# KiCad board fpga.kicad_pcb (continued)
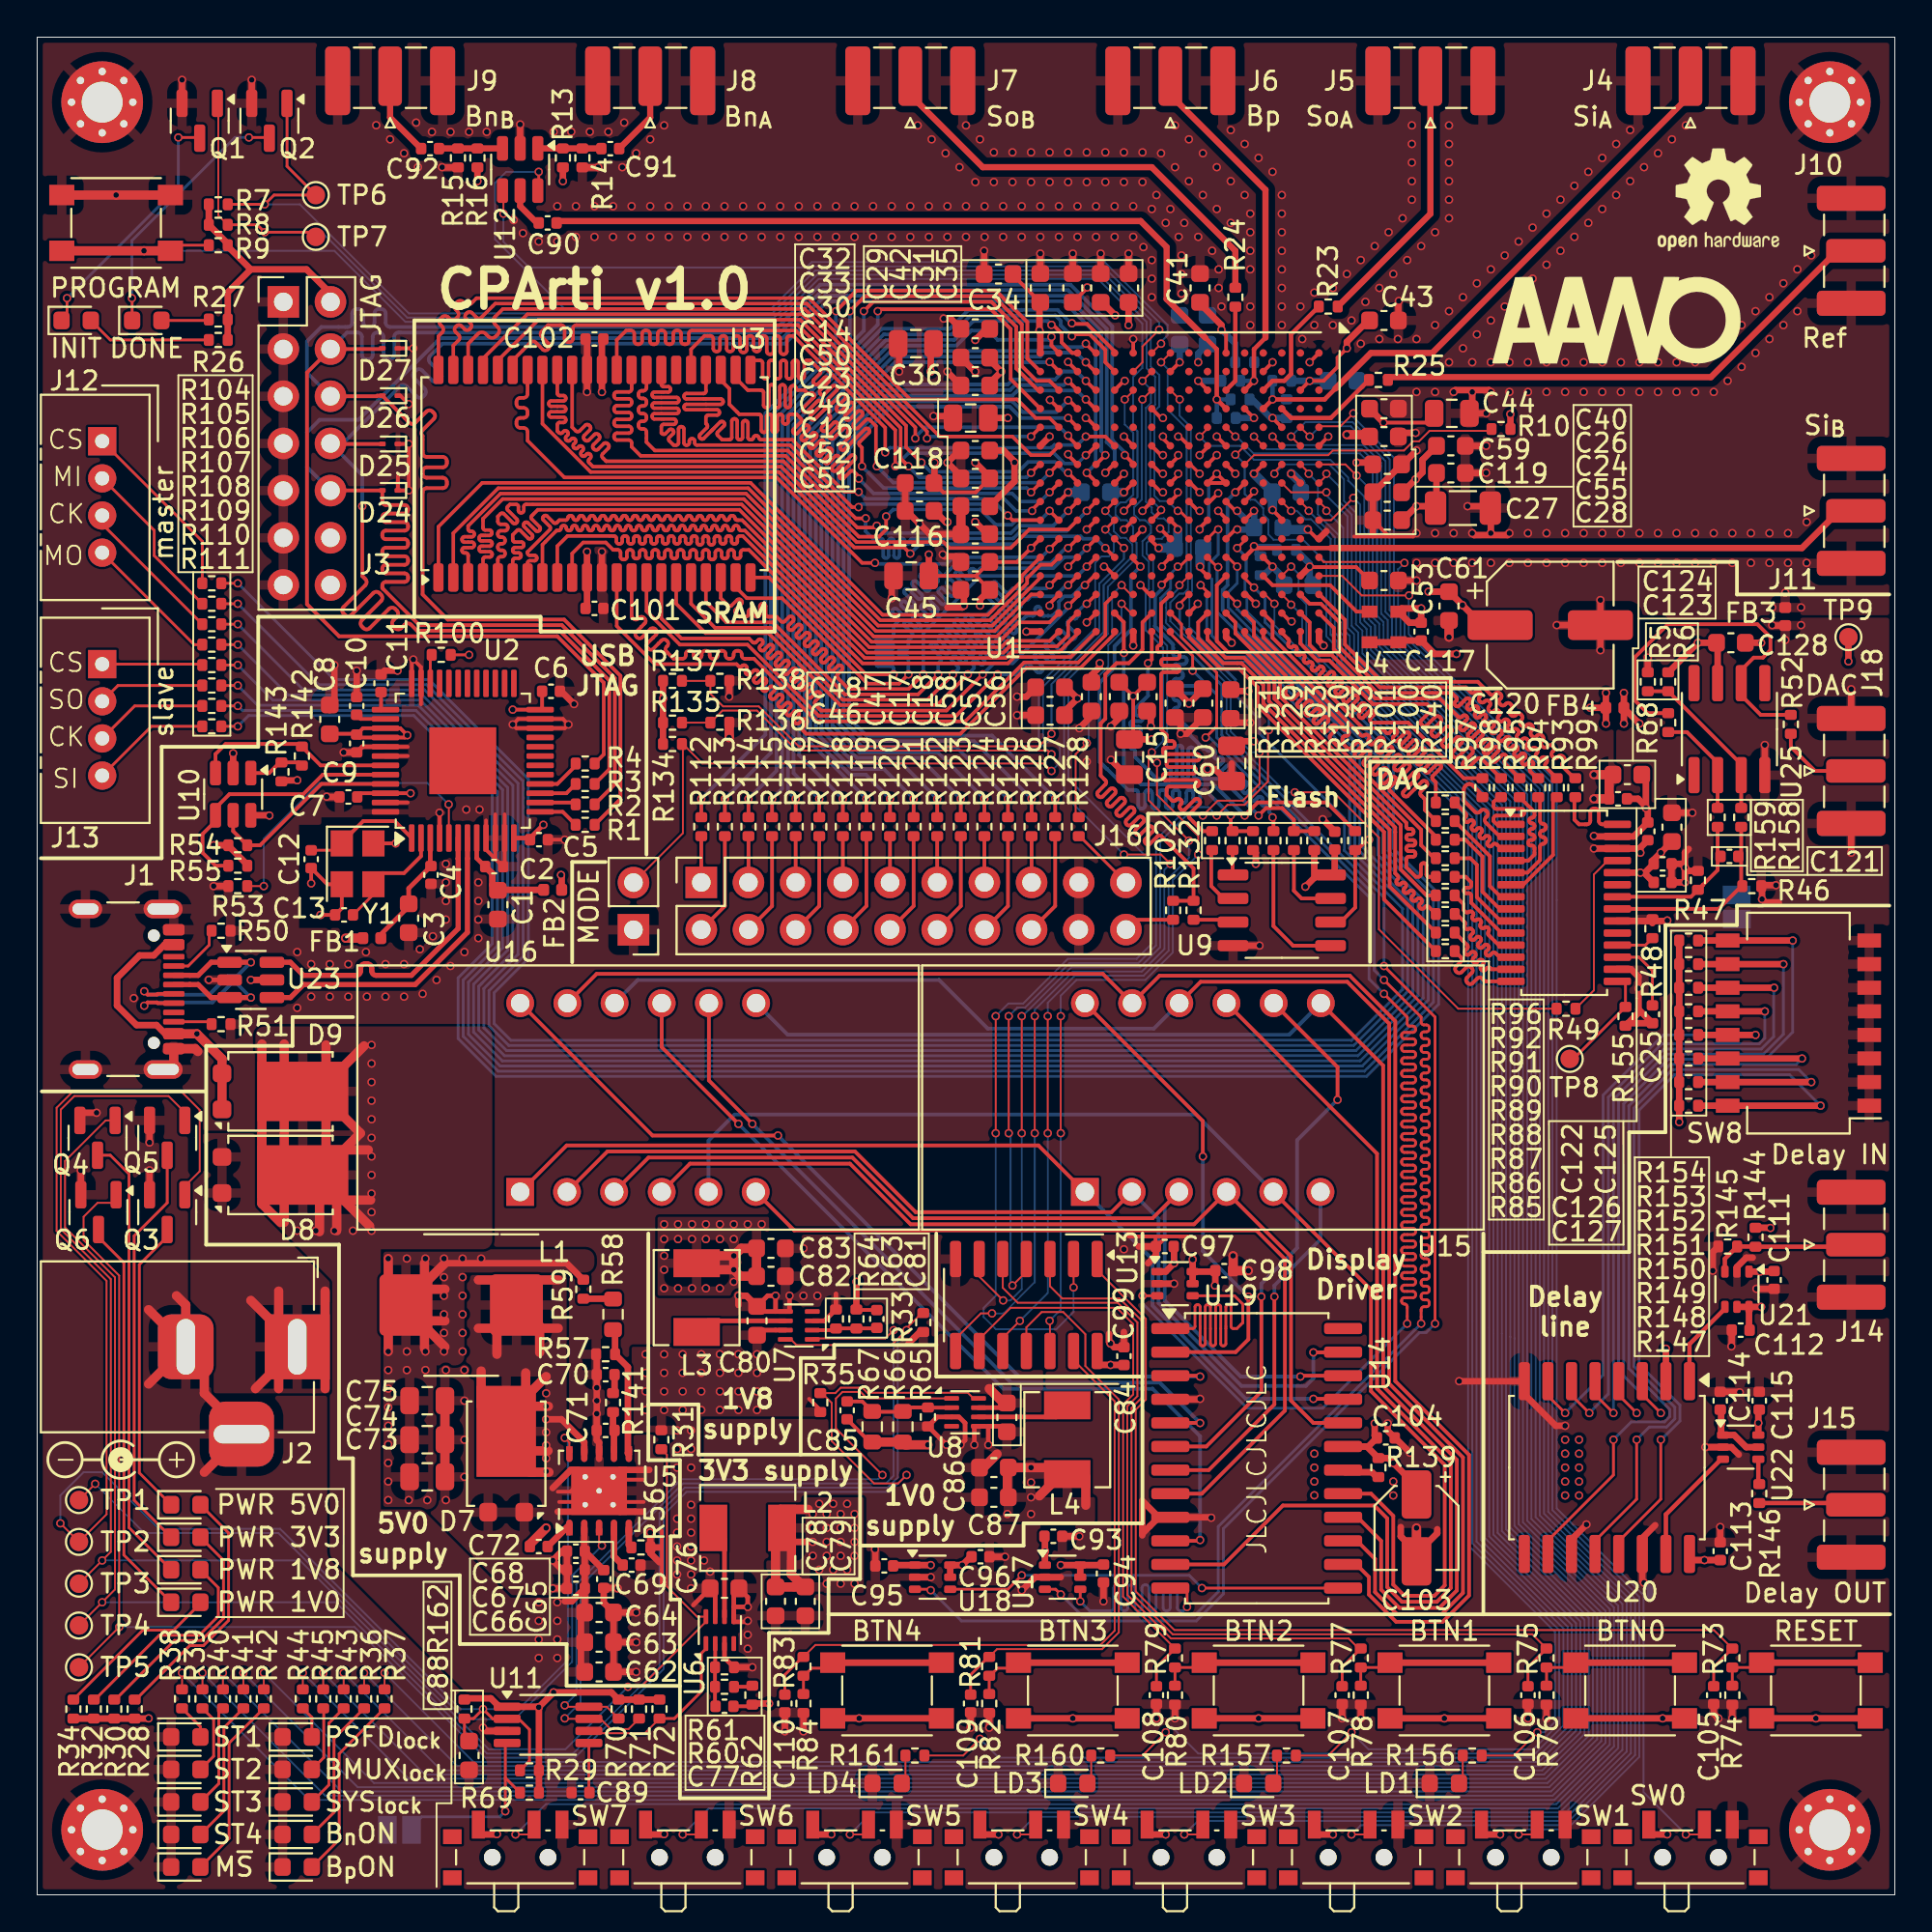
[diagram p0: board, top side]
## Routing (per net, layer and track width the routed paths; a pad name or vN(x,y) marks a point on that pad's centre or on a via; arc(x,y) is an arc through that point) (continued)
SRAM_D0: length 40.5
  Top w0.19: U1.R16 54.5,67.5 52.24,67.5 51.9,67.16 44.79,67.16 37.95,74 37.67,74 arc(37.59,74.03) 37.56,74.12 37.56,74.13 arc(37.52,74.21) 37.44,74.24 37.38,74.24 arc(37.3,74.21) 37.27,74.13 37.27,74.12 arc(37.23,74.03) 37.15,74 37.09,74 arc(37.01,74.03) 36.98,74.12 36.98,74.13 arc(36.94,74.21) 36.86,74.24 36.8,74.24 arc(36.72,74.21) 36.69,74.13 36.69,74.12 arc(36.65,74.03) 36.57,74 36.51,74 arc(36.43,74.03) 36.4,74.12 36.4,74.13 arc(36.36,74.21) 36.28,74.24 36.22,74.24 arc(36.14,74.21) 36.11,74.13 36.11,74.12 arc(36.07,74.03) 35.99,74 35.93,74 arc(35.85,74.03) 35.82,74.12 35.82,74.13 arc(35.78,74.21) 35.7,74.24 35.64,74.24 arc(35.56,74.21) 35.53,74.13 35.53,74.12 arc(35.49,74.03) 35.41,74 35.35,74 arc(35.27,74.03) 35.24,74.12 35.24,74.13 arc(35.2,74.21) 35.12,74.24 35.06,74.24 arc(34.98,74.21) 34.95,74.13 34.95,74.12 arc(34.91,74.03) 34.83,74 34.77,74 arc(34.69,74.03) 34.66,74.12 34.66,74.13 arc(34.62,74.21) 34.54,74.24 34.48,74.24 arc(34.4,74.21) 34.37,74.13 34.37,74.12 arc(34.33,74.03) 34.25,74 34.19,74 arc(34.11,74.03) 34.08,74.12 34.08,74.13 arc(34.04,74.21) 33.96,74.24 33.9,74.24 arc(33.82,74.21) 33.79,74.13 33.79,74.12 arc(33.75,74.03) 33.67,74 33.61,74 arc(33.53,74.03) 33.5,74.12 33.5,74.13 arc(33.46,74.21) 33.38,74.24 33.32,74.24 arc(33.24,74.21) 33.21,74.13 33.21,74.12 arc(33.17,74.03) 33.09,74 33.03,74 arc(32.95,74.03) 32.92,74.12 32.92,74.13 arc(32.88,74.21) 32.8,74.24 32.74,74.24 arc(32.66,74.21) 32.63,74.13 32.63,74.12 arc(32.59,74.03) 32.51,74 32.45,74 arc(32.37,74.03) 32.34,74.12 32.34,74.13 arc(32.3,74.21) 32.22,74.24 32.16,74.24 arc(32.08,74.21) 32.05,74.13 32.05,74.12 arc(32.01,74.03) 31.93,74 31.87,74 arc(31.79,74.03) 31.76,74.12 31.76,74.13 arc(31.72,74.21) 31.64,74.24 31.58,74.24 arc(31.5,74.21) 31.47,74.13 31.47,74.12 arc(31.43,74.03) 31.35,74 31.29,74 arc(31.21,74.03) 31.18,74.12 31.18,74.13 arc(31.14,74.21) 31.06,74.24 31,74.24 arc(30.92,74.21) 30.89,74.13 30.89,74.12 arc(30.85,74.03) 30.77,74 30.71,74 arc(30.63,74.03) 30.6,74.12 30.6,74.13 arc(30.56,74.21) 30.48,74.24 30.42,74.24 arc(30.34,74.21) 30.31,74.13 30.31,74.12 arc(30.27,74.03) 30.19,74 30.13,74 arc(30.05,74.03) 30.02,74.12 30.02,74.13 arc(29.98,74.21) 29.9,74.24 29.84,74.24 arc(29.76,74.21) 29.73,74.13 29.73,74.12 arc(29.69,74.03) 29.61,74 29.55,74 arc(29.47,74.03) 29.44,74.12 29.44,74.13 arc(29.4,74.21) 29.32,74.24 29.26,74.24 arc(29.18,74.21) 29.15,74.13 29.15,74.12 arc(29.11,74.03) 29.03,74 28.97,74 arc(28.89,74.03) 28.86,74.12 28.86,74.13 arc(28.82,74.21) 28.74,74.24 28.68,74.24 arc(28.6,74.21) 28.57,74.13 28.57,74.12 arc(28.53,74.03) 28.45,74 28.11,74 27.97,73.86 arc(27.89,73.83) 27.81,73.86 27.45,74.22 arc(27.36,74.26) 27.28,74.22 27.24,74.18 arc(27.21,74.1) 27.24,74.02 27.6,73.66 arc(27.64,73.57) 27.6,73.49 26.4,72.29 26.4,72.22 arc(26.43,72.14) 26.52,72.11 26.78,72.11 arc(26.86,72.07) 26.89,71.99 26.89,71.93 arc(26.86,71.85) 26.78,71.82 26.52,71.82 arc(26.43,71.78) 26.4,71.7 U3.7
SRAM_D1: length 40.5
  Top w0.19: U1.P15 55.5,68.5 55.5,67.8 54.91,67.21 52.36,67.21 52.02,66.87 44.67,66.87 38.1,73.44 37.88,73.44 arc(37.8,73.47) 37.77,73.56 37.77,73.59 arc(37.73,73.67) 37.65,73.7 37.59,73.7 arc(37.51,73.67) 37.48,73.59 37.48,73.56 arc(37.44,73.47) 37.36,73.44 37.3,73.44 arc(37.22,73.47) 37.19,73.56 37.19,73.59 arc(37.15,73.67) 37.07,73.7 37.01,73.7 arc(36.93,73.67) 36.9,73.59 36.9,73.56 arc(36.86,73.47) 36.78,73.44 36.72,73.44 arc(36.64,73.47) 36.61,73.56 36.61,73.59 arc(36.57,73.67) 36.49,73.7 36.43,73.7 arc(36.35,73.67) 36.32,73.59 36.32,73.56 arc(36.28,73.47) 36.2,73.44 36.14,73.44 arc(36.06,73.47) 36.03,73.56 36.03,73.59 arc(35.99,73.67) 35.91,73.7 35.85,73.7 arc(35.77,73.67) 35.74,73.59 35.74,73.56 arc(35.7,73.47) 35.62,73.44 35.56,73.44 arc(35.48,73.47) 35.45,73.56 35.45,73.59 arc(35.41,73.67) 35.33,73.7 35.27,73.7 arc(35.19,73.67) 35.16,73.59 35.16,73.56 arc(35.12,73.47) 35.04,73.44 34.98,73.44 arc(34.9,73.47) 34.87,73.56 34.87,73.59 arc(34.83,73.67) 34.75,73.7 34.69,73.7 arc(34.61,73.67) 34.58,73.59 34.58,73.56 arc(34.54,73.47) 34.46,73.44 34.4,73.44 arc(34.32,73.47) 34.29,73.56 34.29,73.59 arc(34.25,73.67) 34.17,73.7 34.11,73.7 arc(34.03,73.67) 34,73.59 34,73.56 arc(33.96,73.47) 33.88,73.44 33.82,73.44 arc(33.74,73.47) 33.71,73.56 33.71,73.59 arc(33.67,73.67) 33.59,73.7 33.53,73.7 arc(33.45,73.67) 33.42,73.59 33.42,73.56 arc(33.38,73.47) 33.3,73.44 33.24,73.44 arc(33.16,73.47) 33.13,73.56 33.13,73.59 arc(33.09,73.67) 33.01,73.7 32.95,73.7 arc(32.87,73.67) 32.84,73.59 32.84,73.56 arc(32.8,73.47) 32.72,73.44 32.66,73.44 arc(32.58,73.47) 32.55,73.56 32.55,73.59 arc(32.51,73.67) 32.43,73.7 32.37,73.7 arc(32.29,73.67) 32.26,73.59 32.26,73.56 arc(32.22,73.47) 32.14,73.44 32.08,73.44 arc(32,73.47) 31.97,73.56 31.97,73.59 arc(31.93,73.67) 31.85,73.7 31.79,73.7 arc(31.71,73.67) 31.68,73.59 31.68,73.56 arc(31.64,73.47) 31.56,73.44 31.5,73.44 arc(31.42,73.47) 31.39,73.56 31.39,73.59 arc(31.35,73.67) 31.27,73.7 31.21,73.7 arc(31.13,73.67) 31.1,73.59 31.1,73.56 arc(31.06,73.47) 30.98,73.44 30.92,73.44 arc(30.84,73.47) 30.81,73.56 30.81,73.59 arc(30.77,73.67) 30.69,73.7 30.63,73.7 arc(30.55,73.67) 30.52,73.59 30.52,73.56 arc(30.48,73.47) 30.4,73.44 30.34,73.44 arc(30.26,73.47) 30.23,73.56 30.23,73.59 arc(30.19,73.67) 30.11,73.7 30.05,73.7 arc(29.97,73.67) 29.94,73.59 29.94,73.56 arc(29.9,73.47) 29.82,73.44 29.76,73.44 arc(29.68,73.47) 29.65,73.56 29.65,73.59 arc(29.61,73.67) 29.53,73.7 29.47,73.7 arc(29.39,73.67) 29.36,73.59 29.36,73.56 arc(29.32,73.47) 29.24,73.44 29.18,73.44 arc(29.1,73.47) 29.07,73.56 29.07,73.59 arc(29.03,73.67) 28.95,73.7 28.89,73.7 arc(28.81,73.67) 28.78,73.59 28.78,73.56 arc(28.74,73.47) 28.66,73.44 28.6,73.44 arc(28.52,73.47) 28.49,73.56 28.49,73.59 arc(28.45,73.67) 28.37,73.7 28.31,73.7 arc(28.23,73.67) 28.2,73.59 28.2,73.56 arc(28.16,73.47) 28.08,73.44 27.96,73.44 27.2,72.68 U3.8
SRAM_D2: length 40.5
  Top w0.19: U1.P16 56,67.89 55.03,66.92 52.48,66.92 52.14,66.58 44.55,66.58 37.98,73.15 37.82,73.15 arc(37.73,73.11) 37.69,73.03 37.69,72.85 arc(37.66,72.76) 37.57,72.72 37.51,72.72 arc(37.42,72.76) 37.38,72.85 37.38,73.03 arc(37.35,73.11) 37.26,73.15 37.2,73.15 arc(37.11,73.11) 37.07,73.03 37.07,72.85 arc(37.04,72.76) 36.95,72.72 36.89,72.72 arc(36.8,72.76) 36.76,72.85 36.76,73.03 arc(36.73,73.11) 36.64,73.15 36.58,73.15 arc(36.49,73.11) 36.45,73.03 36.45,72.8 arc(36.42,72.71) 36.33,72.67 36.27,72.67 arc(36.18,72.71) 36.14,72.8 36.14,73.03 arc(36.11,73.11) 36.02,73.15 35.96,73.15 arc(35.87,73.11) 35.83,73.03 35.83,72.8 arc(35.8,72.71) 35.71,72.67 35.65,72.67 arc(35.56,72.71) 35.52,72.8 35.52,73.03 arc(35.49,73.11) 35.4,73.15 35.34,73.15 arc(35.25,73.11) 35.21,73.03 35.21,72.85 arc(35.18,72.76) 35.09,72.72 35.03,72.72 arc(34.94,72.76) 34.9,72.85 34.9,73.03 arc(34.87,73.11) 34.78,73.15 34.72,73.15 arc(34.63,73.11) 34.59,73.03 34.59,72.85 arc(34.56,72.76) 34.47,72.72 34.41,72.72 arc(34.32,72.76) 34.28,72.85 34.28,73.03 arc(34.25,73.11) 34.16,73.15 34.1,73.15 arc(34.01,73.11) 33.97,73.03 33.97,72.85 arc(33.94,72.76) 33.85,72.72 33.79,72.72 arc(33.7,72.76) 33.66,72.85 33.66,73.03 arc(33.63,73.11) 33.54,73.15 33.48,73.15 arc(33.39,73.11) 33.35,73.03 33.35,72.85 arc(33.32,72.76) 33.23,72.72 33.17,72.72 arc(33.08,72.76) 33.04,72.85 33.04,73.03 arc(33.01,73.11) 32.92,73.15 32.86,73.15 arc(32.77,73.11) 32.73,73.03 32.73,72.85 arc(32.7,72.76) 32.61,72.72 32.55,72.72 arc(32.46,72.76) 32.42,72.85 32.42,73.03 arc(32.39,73.11) 32.3,73.15 32.24,73.15 arc(32.15,73.11) 32.11,73.03 32.11,72.85 arc(32.08,72.76) 31.99,72.72 31.93,72.72 arc(31.84,72.76) 31.8,72.85 31.8,73.03 arc(31.77,73.11) 31.68,73.15 31.62,73.15 arc(31.53,73.11) 31.49,73.03 31.49,72.85 arc(31.46,72.76) 31.37,72.72 31.31,72.72 arc(31.22,72.76) 31.18,72.85 31.18,73.03 arc(31.15,73.11) 31.06,73.15 28.55,73.15 28,72.6 U3.9
SRAM_D3: length 40.5
  Top w0.19: U3.10 28.8,72.21 29.39,72.8 30.61,72.8 31.01,72.4 31.27,72.4 arc(31.36,72.36) 31.4,72.26 31.4,72.02 arc(31.44,71.92) 31.54,71.88 31.61,71.88 arc(31.7,71.92) 31.74,72.02 31.74,72.26 arc(31.78,72.36) 31.88,72.4 31.95,72.4 arc(32.04,72.36) 32.08,72.26 32.08,72.07 arc(32.12,71.97) 32.22,71.93 32.29,71.93 arc(32.38,71.97) 32.42,72.07 32.42,72.26 arc(32.46,72.36) 32.56,72.4 32.63,72.4 arc(32.72,72.36) 32.76,72.26 32.76,72.07 arc(32.8,71.97) 32.9,71.93 32.97,71.93 arc(33.06,71.97) 33.1,72.07 33.1,72.26 arc(33.14,72.36) 33.24,72.4 33.31,72.4 arc(33.4,72.36) 33.44,72.26 33.44,72.07 arc(33.48,71.97) 33.58,71.93 33.65,71.93 arc(33.74,71.97) 33.78,72.07 33.78,72.26 arc(33.82,72.36) 33.92,72.4 33.99,72.4 arc(34.08,72.36) 34.12,72.26 34.12,72.07 arc(34.16,71.97) 34.26,71.93 34.33,71.93 arc(34.42,71.97) 34.46,72.07 34.46,72.26 arc(34.5,72.36) 34.6,72.4 34.67,72.4 arc(34.76,72.36) 34.8,72.26 34.8,72.07 arc(34.84,71.97) 34.94,71.93 35.01,71.93 arc(35.1,71.97) 35.14,72.07 35.14,72.26 arc(35.18,72.36) 35.28,72.4 35.35,72.4 arc(35.44,72.36) 35.48,72.26 35.48,72.02 arc(35.52,71.92) 35.62,71.88 35.69,71.88 arc(35.78,71.92) 35.82,72.02 35.82,72.26 arc(35.86,72.36) 35.96,72.4 36.03,72.4 arc(36.12,72.36) 36.16,72.26 36.16,72.02 arc(36.2,71.92) 36.3,71.88 36.37,71.88 arc(36.46,71.92) 36.5,72.02 36.5,72.26 arc(36.54,72.36) 36.64,72.4 36.71,72.4 arc(36.8,72.36) 36.84,72.26 36.84,72.07 arc(36.88,71.97) 36.98,71.93 37.05,71.93 arc(37.14,71.97) 37.18,72.07 37.18,72.26 arc(37.22,72.36) 37.32,72.4 37.39,72.4 arc(37.48,72.36) 37.52,72.26 37.52,72.07 arc(37.56,71.97) 37.66,71.93 37.73,71.93 arc(37.82,71.97) 37.86,72.07 37.86,72.26 arc(37.9,72.36) 38,72.4 38.32,72.4 44.43,66.29 52.26,66.29 52.6,66.63 55.63,66.63 U1.N16
SRAM_D4: length 40.5
  Top w0.19: U3.13 31.2,68.3 33.25,66.25 37.65,66.25 37.76,66.14 arc(37.85,66.1) 37.93,66.14 37.96,66.17 arc(38.05,66.2) 38.14,66.17 38.18,66.12 arc(38.22,66.04) 38.18,65.95 38.15,65.92 arc(38.12,65.83) 38.15,65.75 38.2,65.7 arc(38.29,65.67) 38.37,65.7 38.58,65.91 arc(38.66,65.94) 38.75,65.91 38.8,65.86 arc(38.83,65.77) 38.8,65.69 38.59,65.48 arc(38.56,65.4) 38.59,65.31 38.64,65.26 arc(38.72,65.23) 38.81,65.26 39.01,65.47 arc(39.1,65.5) 39.19,65.47 39.23,65.42 arc(39.27,65.34) 39.23,65.25 39.03,65.04 arc(38.99,64.96) 39.03,64.87 39.07,64.83 arc(39.16,64.79) 39.25,64.83 39.45,65.03 arc(39.54,65.06) 39.63,65.03 39.67,64.98 arc(39.71,64.9) 39.67,64.81 39.47,64.61 arc(39.43,64.52) 39.47,64.43 39.51,64.39 arc(39.6,64.35) 39.69,64.39 39.89,64.59 arc(39.98,64.63) 40.07,64.59 40.11,64.55 arc(40.15,64.46) 40.11,64.37 39.91,64.17 arc(39.87,64.08) 39.91,63.99 39.95,63.95 arc(40.04,63.91) 40.13,63.95 40.33,64.15 arc(40.42,64.19) 40.51,64.15 40.55,64.11 arc(40.59,64.02) 40.55,63.93 40.35,63.73 arc(40.31,63.64) 40.35,63.55 40.39,63.51 arc(40.48,63.47) 40.57,63.51 40.77,63.71 arc(40.86,63.75) 40.94,63.71 40.99,63.67 arc(41.02,63.58) 40.99,63.49 40.78,63.29 arc(40.75,63.2) 40.78,63.12 40.83,63.07 arc(40.92,63.04) 41,63.07 41.21,63.27 arc(41.29,63.31) 41.38,63.27 41.43,63.23 arc(41.46,63.14) 41.43,63.06 41.22,62.85 arc(41.19,62.76) 41.22,62.68 41.4,62.5 49.7,62.5 53.25,66.05 56.16,66.05 58,67.89 U1.M16
SRAM_D5: length 40.5
  Top w0.19: U1.M14 57.5,69.5 57.5,67.8 56.04,66.34 53.13,66.34 49.96,63.17 41.96,63.17 38.59,66.54 38.09,66.54 arc(37.97,66.59) 37.92,66.71 37.92,66.8 arc(37.87,66.92) 37.75,66.97 37.66,66.97 arc(37.54,66.92) 37.49,66.8 37.49,66.71 arc(37.44,66.59) 37.32,66.54 37.23,66.54 arc(37.11,66.59) 37.06,66.71 37.06,66.8 arc(37.01,66.92) 36.89,66.97 36.8,66.97 arc(36.68,66.92) 36.63,66.8 36.63,66.71 arc(36.58,66.59) 36.46,66.54 36.37,66.54 arc(36.25,66.59) 36.2,66.71 36.2,66.8 arc(36.15,66.92) 36.03,66.97 35.94,66.97 arc(35.82,66.92) 35.77,66.8 35.77,66.71 arc(35.72,66.59) 35.6,66.54 35.51,66.54 arc(35.39,66.59) 35.34,66.71 35.34,66.8 arc(35.29,66.92) 35.17,66.97 35.08,66.97 arc(34.96,66.92) 34.91,66.8 34.91,66.71 arc(34.86,66.59) 34.74,66.54 34.26,66.54 33.87,66.93 arc(33.82,67.05) 33.87,67.17 33.93,67.23 arc(33.98,67.35) 33.93,67.48 33.87,67.54 arc(33.75,67.59) 33.63,67.54 33.16,67.07 arc(33.04,67.02) 32.91,67.07 32.85,67.13 arc(32.8,67.25) 32.85,67.37 33.32,67.84 arc(33.37,67.96) 33.32,68.08 33.26,68.14 arc(33.14,68.2) 33.02,68.14 32.55,67.68 arc(32.43,67.63) 32.31,67.68 32.25,67.74 arc(32.19,67.86) 32.25,67.98 32.71,68.45 arc(32.76,68.57) 32.71,68.69 32.65,68.75 arc(32.53,68.8) 32.41,68.75 32.35,68.69 arc(32.23,68.64) 32.11,68.69 32,68.8 U3.14
SRAM_D6: length 37.4
  Top w0.19: v1(51.7,65.7) 49.46,63.46 42.08,63.46 38.24,67.3 34.6,67.3 32.8,69.1 U3.15 ; U1.N14 v1(56.5,69.5)
  Bottom w0.19: v1(51.7,65.7) 52.63,65.7 53.17,66.24 arc(53.29,66.29) 53.41,66.24 53.81,65.83 arc(53.93,65.78) 54.05,65.83 54.11,65.89 arc(54.16,66.01) 54.11,66.13 53.71,66.54 arc(53.66,66.65) 53.71,66.77 53.77,66.83 arc(53.89,66.88) 54,66.83 54.41,66.43 arc(54.53,66.38) 54.65,66.43 54.71,66.49 arc(54.75,66.61) 54.71,66.72 54.3,67.13 arc(54.25,67.25) 54.3,67.37 54.36,67.43 arc(54.48,67.48) 54.6,67.43 55,67.02 arc(55.12,66.97) 55.24,67.02 55.3,67.08 arc(55.35,67.2) 55.3,67.32 54.89,67.72 arc(54.85,67.84) 54.89,67.96 54.95,68.02 arc(55.07,68.07) 55.19,68.02 55.6,67.62 arc(55.72,67.57) 55.83,67.62 55.89,67.67 arc(55.94,67.79) 55.89,67.91 55.49,68.32 arc(55.44,68.44) 55.49,68.55 55.64,68.71 arc(55.72,68.74) 55.79,68.71 arc(55.86,68.68) 55.93,68.71 56.08,68.87 arc(56.11,68.94) 56.08,69.01 arc(56.05,69.08) 56.08,69.15 56.43,69.5 v1(56.5,69.5)
SRAM_D7: length 37.4
  Top w0.19: v1(50.9,65.7) 48.95,63.75 42.2,63.75 41.88,64.07 arc(41.84,64.16) 41.88,64.24 42.15,64.52 arc(42.19,64.6) 42.15,64.69 42.11,64.73 arc(42.03,64.77) 41.94,64.73 41.66,64.45 arc(41.58,64.42) 41.49,64.45 41.45,64.5 arc(41.42,64.58) 41.45,64.67 41.73,64.94 arc(41.76,65.03) 41.73,65.11 41.69,65.16 arc(41.6,65.19) 41.52,65.16 41.24,64.88 arc(41.16,64.84) 41.07,64.88 41.03,64.92 arc(40.99,65.01) 41.03,65.09 41.3,65.37 arc(41.34,65.45) 41.3,65.54 41.26,65.58 arc(41.18,65.61) 41.09,65.58 40.82,65.3 arc(40.73,65.27) 40.65,65.3 40.6,65.35 arc(40.57,65.43) 40.6,65.52 40.88,65.79 arc(40.91,65.88) 40.88,65.96 40.84,66 arc(40.75,66.04) 40.67,66 40.39,65.73 arc(40.31,65.69) 40.22,65.73 40.18,65.77 arc(40.14,65.85) 40.18,65.94 40.46,66.22 arc(40.49,66.3) 40.46,66.39 40.41,66.43 arc(40.33,66.46) 40.24,66.43 39.97,66.15 arc(39.88,66.12) 39.8,66.15 39.76,66.19 arc(39.72,66.28) 39.76,66.36 40.03,66.64 arc(40.07,66.73) 40.03,66.81 39.99,66.85 arc(39.9,66.89) 39.82,66.85 39.54,66.58 arc(39.46,66.54) 39.37,66.58 39.33,66.62 arc(39.3,66.7) 39.33,66.79 39.61,67.06 arc(39.64,67.15) 39.61,67.23 39.56,67.28 arc(39.48,67.31) 39.39,67.28 39.12,67 arc(39.03,66.97) 38.95,67 38.91,67.04 arc(38.87,67.13) 38.91,67.21 39.04,67.35 arc(39.08,67.43) 39.04,67.52 39,67.56 arc(38.91,67.59) 38.83,67.56 38.69,67.42 arc(38.61,67.39) 38.52,67.42 38.32,67.63 34.68,67.63 33.6,68.71 U3.16 ; v1(55.5,69.4) 56,69.9 U1.P14
  Bottom w0.19: v1(55.5,69.4) 55.5,69.28 52.52,66.3 51.5,66.3 v1(50.9,65.7)
SRAM_D8: length 37.5
  Top w0.19: v1(52.25,74.25) 52.5,74 U1.T10 ; U3.29 33.6,81.3 arc(33.63,81.22) 33.72,81.19 33.97,81.19 arc(34.06,81.15) 34.09,81.07 34.09,81.01 arc(34.06,80.93) 33.97,80.9 33.23,80.9 arc(33.14,80.86) 33.11,80.78 33.11,80.72 arc(33.14,80.64) 33.23,80.61 34.42,80.61 arc(34.51,80.57) 34.54,80.49 34.54,80.43 arc(34.51,80.35) 34.42,80.32 33.23,80.32 arc(33.14,80.28) 33.11,80.2 33.11,80.14 arc(33.14,80.06) 33.23,80.03 34.42,80.03 arc(34.51,79.99) 34.54,79.91 34.54,79.85 arc(34.51,79.77) 34.42,79.74 33.23,79.74 arc(33.14,79.7) 33.11,79.62 33.11,79.56 arc(33.14,79.48) 33.23,79.45 34.27,79.45 arc(34.36,79.41) 34.39,79.33 34.39,79.27 arc(34.36,79.19) 34.27,79.16 33.72,79.16 arc(33.63,79.12) 33.6,79.04 33.6,78.7 33.65,78.65 arc(33.73,78.62) 33.81,78.65 34.03,78.87 arc(34.11,78.9) 34.2,78.87 34.24,78.83 arc(34.27,78.74) 34.24,78.66 34.02,78.44 arc(33.99,78.36) 34.02,78.28 34.26,78.04 34.41,78.04 arc(34.49,78.07) 34.53,78.16 34.53,78.91 arc(34.56,79) 34.64,79.03 34.7,79.03 arc(34.78,79) 34.82,78.91 34.82,78.16 arc(34.85,78.07) 34.93,78.04 34.99,78.04 arc(35.07,78.07) 35.11,78.16 35.11,78.26 arc(35.14,78.35) 35.22,78.38 35.28,78.38 arc(35.36,78.35) 35.4,78.26 35.4,78.16 arc(35.43,78.07) 35.51,78.04 40.53,78.04 43.87,74.7 v1(44.21,74.7)
  Bottom w0.19: v1(44.21,74.7) 44.38,74.86 51.64,74.86 v1(52.25,74.25)
SRAM_D9: length 37.4
  Top w0.19: U3.30 32.8,81.13 arc(32.75,81.01) 32.64,80.96 32.54,80.96 arc(32.42,80.92) 32.37,80.8 32.37,80.72 arc(32.42,80.6) 32.54,80.55 32.64,80.55 arc(32.75,80.51) 32.8,80.39 32.8,80.31 arc(32.75,80.19) 32.64,80.14 32.54,80.14 arc(32.42,80.1) 32.37,79.98 32.37,79.9 arc(32.42,79.78) 32.54,79.73 32.64,79.73 arc(32.75,79.69) 32.8,79.57 32.8,79.49 arc(32.75,79.37) 32.64,79.32 32.54,79.32 arc(32.42,79.28) 32.37,79.16 32.37,79.08 arc(32.42,78.96) 32.54,78.91 32.64,78.91 arc(32.75,78.87) 32.8,78.75 32.8,78.2 33.25,77.75 40.41,77.75 44.06,74.1 v1(44.6,74.1) ; U1.N9 v1(56.5,74.5)
  Bottom w0.19: v1(56.5,74.5) 55.42,73.42 52.95,73.42 52.54,73.01 47.11,73.01 arc(47.03,72.98) 46.99,72.89 46.99,72.83 arc(46.96,72.74) 46.88,72.71 46.82,72.71 arc(46.74,72.74) 46.7,72.83 46.7,72.89 arc(46.67,72.98) 46.59,73.01 46.53,73.01 arc(46.45,72.98) 46.41,72.89 46.41,72.08 arc(46.38,71.99) 46.3,71.96 46.24,71.96 arc(46.16,71.99) 46.12,72.08 46.12,72.89 arc(46.09,72.98) 46.01,73.01 45.95,73.01 arc(45.87,72.98) 45.83,72.89 45.83,72.08 arc(45.8,71.99) 45.72,71.96 45.66,71.96 arc(45.58,71.99) 45.54,72.08 45.54,72.89 arc(45.51,72.98) 45.43,73.01 44.99,73.01 44.6,73.4 v1(44.6,74.1)
SRAM_D10: length 37.4
  Top w0.19: v1(45.2,73.7) 45.1,73.6 44.15,73.6 40.29,77.46 32.49,77.46 32,77.95 32,78.17 arc(31.96,78.27) 31.85,78.31 31.2,78.31 arc(31.1,78.36) 31.05,78.46 31.05,78.54 arc(31.1,78.64) 31.2,78.68 31.85,78.68 arc(31.96,78.73) 32,78.83 32,78.91 arc(31.96,79.01) 31.85,79.05 31.2,79.05 arc(31.1,79.1) 31.05,79.2 31.05,79.28 arc(31.1,79.38) 31.2,79.42 31.85,79.42 arc(31.96,79.47) 32,79.57 32,79.65 arc(31.96,79.75) 31.85,79.79 31.2,79.79 arc(31.1,79.84) 31.05,79.94 31.05,80.02 arc(31.1,80.12) 31.2,80.16 31.85,80.16 arc(31.96,80.21) 32,80.31 32,80.39 arc(31.96,80.49) 31.85,80.53 31.2,80.53 arc(31.1,80.58) 31.05,80.68 31.05,80.76 arc(31.1,80.86) 31.2,80.9 31.85,80.9 arc(31.96,80.95) 32,81.05 U3.31 ; U1.P9 v1(55.5,74.5)
  Bottom w0.19: v1(55.5,74.5) 54.71,73.71 52.83,73.71 52.42,73.3 45.6,73.3 v1(45.2,73.7)
SRAM_D11: length 37.5
  Top w0.19: U3.32 31.2,83.7 31.71,84.21 31.97,84.21 arc(32.09,84.16) 32.14,84.04 32.14,83.64 arc(32.19,83.52) 32.31,83.47 32.39,83.47 arc(32.51,83.52) 32.56,83.64 32.56,84.04 arc(32.61,84.16) 32.73,84.21 32.81,84.21 arc(32.93,84.16) 32.98,84.04 32.98,83.64 arc(33.03,83.52) 33.15,83.47 33.23,83.47 arc(33.35,83.52) 33.4,83.64 33.4,84.04 arc(33.45,84.16) 33.57,84.21 33.65,84.21 arc(33.77,84.16) 33.82,84.04 33.82,83.64 arc(33.87,83.52) 33.99,83.47 34.07,83.47 arc(34.19,83.52) 34.24,83.64 34.24,84.04 arc(34.29,84.16) 34.41,84.21 34.49,84.21 arc(34.61,84.16) 34.66,84.04 34.66,83.64 arc(34.71,83.52) 34.83,83.47 34.91,83.47 arc(35.03,83.52) 35.08,83.64 35.08,84.04 arc(35.13,84.16) 35.25,84.21 40.83,84.21 46.19,78.85 46.19,76.91 v1(46.2,76.9)
  Top w0.199: 56.47,77.5 56.5,77.5 U1.N6
  Bottom w0.19: v1(46.2,76.9) 46.2,76.91 46.9,77.61 54.72,77.61 54.73,77.61 55.29,77.05 56,77.05 v1(56.45,77.5)
SRAM_D12: length 37.2
  Top w0.19: U3.35 28.8,79 29,78.8 arc(29.1,78.76) 29.2,78.8 29.51,79.11 arc(29.61,79.15) 29.71,79.11 29.76,79.06 arc(29.8,78.96) 29.76,78.86 29.45,78.55 arc(29.4,78.45) 29.45,78.35 29.49,78.31 arc(29.59,78.26) 29.69,78.31 30,78.62 arc(30.1,78.66) 30.2,78.62 30.25,78.57 arc(30.29,78.47) 30.25,78.37 29.94,78.06 arc(29.9,77.96) 29.94,77.86 29.99,77.81 arc(30.09,77.77) 30.19,77.81 30.5,78.12 arc(30.6,78.16) 30.7,78.12 30.75,78.07 arc(30.79,77.97) 30.75,77.87 30.44,77.56 arc(30.39,77.46) 30.44,77.36 30.63,77.17 40.17,77.17 44.23,73.11 45.32,73.11 45.7,73.49 v1(45.7,74.2) ; U1.R10 v1(54.5,74.5)
  Bottom w0.19: v1(45.7,74.2) 46.07,74.57 50.78,74.57 51.6,73.75 52.46,73.75 52.71,74 54,74 v1(54.5,74.5)
SRAM_D13: length 40.5
  Top w0.19: U3.36 28,80.82 arc(28.03,80.74) 28.12,80.71 28.34,80.71 arc(28.42,80.67) 28.45,80.59 28.45,80.53 arc(28.42,80.45) 28.34,80.42 27.66,80.42 arc(27.58,80.38) 27.55,80.3 27.55,80.24 arc(27.58,80.16) 27.66,80.13 28.34,80.13 arc(28.42,80.09) 28.45,80.01 28.45,79.95 arc(28.42,79.87) 28.34,79.84 27.66,79.84 arc(27.58,79.8) 27.55,79.72 27.55,79.66 arc(27.58,79.58) 27.66,79.55 28.34,79.55 arc(28.42,79.51) 28.45,79.43 28.45,79.37 arc(28.42,79.29) 28.34,79.26 28.12,79.26 arc(28.03,79.22) 28,79.14 28,78.8 28.1,78.7 arc(28.18,78.67) 28.26,78.7 28.35,78.79 arc(28.43,78.82) 28.52,78.79 28.56,78.74 arc(28.59,78.66) 28.56,78.58 28.47,78.49 arc(28.44,78.41) 28.47,78.33 28.51,78.29 arc(28.59,78.26) 28.67,78.29 28.76,78.38 arc(28.84,78.41) 28.93,78.38 28.97,78.33 arc(29,78.25) 28.97,78.17 28.88,78.08 arc(28.85,78) 28.88,77.92 28.92,77.88 arc(29,77.85) 29.08,77.88 29.17,77.97 arc(29.25,78) 29.34,77.97 29.38,77.92 arc(29.41,77.84) 29.38,77.76 29.29,77.67 arc(29.26,77.59) 29.29,77.51 29.33,77.47 arc(29.41,77.44) 29.49,77.47 29.58,77.56 arc(29.66,77.59) 29.75,77.56 29.79,77.51 arc(29.82,77.43) 29.79,77.35 29.7,77.26 arc(29.67,77.18) 29.7,77.1 29.92,76.88 40.05,76.88 44.11,72.82 48.78,72.82 49.1,72.5 52.41,72.5 53.41,73.5 55.5,73.5 U1.P10
SRAM_D14: length 37.4
  Top w0.19: U3.37 27.2,79.19 29.8,76.59 39.93,76.59 43.99,72.53 46.67,72.53 v1(47,72.2) ; U1.M12 v1(57.5,72.5)
  Bottom w0.19: v1(57.5,72.5) 57,73 56.29,73 56.16,73.13 53.07,73.13 52.66,72.72 47.52,72.72 v1(47,72.2)
SRAM_D15: length 37.4
  Top w0.19: v1(54.5,72.45) 55,72.95 U1.R11 ; v1(45.1,71.7) 44.41,71.7 39.81,76.3 28.38,76.3 26.4,78.28 26.4,78.75 arc(26.34,78.9) 26.18,78.97 26.01,78.97 arc(25.86,79.03) 25.8,79.18 25.8,79.29 arc(25.86,79.44) 26.01,79.51 26.18,79.51 arc(26.34,79.57) 26.4,79.72 26.4,79.83 arc(26.34,79.98) 26.18,80.05 26.01,80.05 arc(25.86,80.11) 25.8,80.26 25.8,80.37 arc(25.86,80.52) 26.01,80.59 26.18,80.59 arc(26.34,80.65) 26.4,80.8 U3.38
  Bottom w0.19: v1(54.5,72.45) 54.05,72 49.31,72 48.96,71.65 45.15,71.65 v1(45.1,71.7)
SRAM_LB: length 37.4
  Top w0.19: U3.39 25.6,82.6 26.57,83.57 arc(26.7,83.63) 26.83,83.57 27.22,83.18 arc(27.35,83.13) 27.47,83.18 27.54,83.25 arc(27.59,83.37) 27.54,83.5 27.15,83.89 arc(27.09,84.02) 27.15,84.15 27.5,84.5 28.21,84.5 arc(28.34,84.45) 28.39,84.32 28.39,83.77 arc(28.44,83.64) 28.57,83.59 28.66,83.59 arc(28.79,83.64) 28.84,83.77 28.84,84.32 arc(28.89,84.45) 29.02,84.5 40.95,84.5 46.48,78.97 46.48,77.32 46.7,77.11 46.7,77.1 v1(46.9,76.9) ; v1(53.5,76.55) 53.95,77 U1.T7
  Bottom w0.19: v1(53.5,76.55) 53.26,76.31 47.49,76.31 v1(46.9,76.9)
SRAM_OE: length 37.5
  Top w0.19: v1(47.27,78.4) 47.27,79 41.19,85.08 26.38,85.08 24,82.7 U3.41 ; U1.P6 55.5,78.5 v1(55.5,78.55)
  Bottom w0.19: v1(47.27,78.4) 47.27,78.48 47.79,79 55.05,79 v1(55.5,78.55)
SRAM_UB: length 37.4
  Top w0.19: v1(47.6,77.1) 46.77,77.93 46.77,79.09 41.07,84.79 26.99,84.79 24.8,82.6 U3.40 ; U1.P8 56,76.05 v1(55.5,76.55)
  Bottom w0.19: v1(47.6,77.1) 47.6,77.09 48.09,76.6 52.81,76.6 53.34,77.13 54.8,77.13 55.38,76.55 v1(55.5,76.55)
SRAM_WE: length 37.4
  Top w0.19: v1(56.4,70.5) 56.9,71 U1.N13 ; v1(50.1,65.7) 48.44,64.04 43.24,64.04 39.36,67.92 35.98,67.92 34.4,69.5 U3.17
  Bottom w0.19: v1(50.1,65.7) 50.41,66.01 arc(50.45,66.1) 50.41,66.18 50.38,66.22 arc(50.34,66.3) 50.38,66.39 50.42,66.43 arc(50.5,66.46) 50.59,66.43 50.78,66.24 arc(50.85,66.21) 50.92,66.24 50.99,66.31 arc(51.02,66.38) 50.99,66.45 50.8,66.64 arc(50.77,66.72) 50.8,66.81 50.84,66.85 arc(50.93,66.89) 51.01,66.85 51.25,66.61 arc(51.34,66.58) 51.42,66.61 51.46,66.66 arc(51.5,66.74) 51.46,66.83 51.23,67.06 arc(51.19,67.15) 51.23,67.23 51.27,67.28 arc(51.35,67.31) 51.44,67.28 52.06,66.65 arc(52.15,66.61) 52.23,66.65 52.28,66.69 arc(52.31,66.78) 52.28,66.86 51.65,67.49 arc(51.61,67.57) 51.65,67.66 51.69,67.7 arc(51.78,67.74) 51.86,67.7 52.56,67 arc(52.64,66.97) 52.73,67 52.77,67.05 arc(52.81,67.13) 52.77,67.21 52.07,67.91 arc(52.04,68) 52.07,68.08 52.12,68.12 arc(52.2,68.16) 52.29,68.12 52.49,67.92 arc(52.57,67.89) 52.66,67.92 52.7,67.97 arc(52.74,68.05) 52.7,68.13 52.5,68.34 arc(52.46,68.42) 52.5,68.51 52.54,68.55 arc(52.63,68.58) 52.71,68.55 52.74,68.51 arc(52.83,68.48) 52.91,68.51 53.25,68.85 53.6,68.85 arc(53.68,68.88) 53.72,68.97 53.72,69.22 arc(53.75,69.3) 53.84,69.34 53.9,69.34 arc(53.98,69.3) 54.02,69.22 54.02,68.97 arc(54.05,68.88) 54.14,68.85 54.66,68.85 55,69.19 55,69.61 55.29,69.9 55.7,69.9 56.3,70.5 v1(56.4,70.5)
Stage1: length 158
  Top w0.1: v1(71.03,76.4) 70.43,77 U1.A7 ; R38.1 v1(7.8,11.95)
  Bottom w0.1: v1(7.8,11.95) 14.64,5.11 81.68,5.11 84.66,8.09 84.66,15.38 79.98,20.05 79.98,59.15 72.02,67.11 72.02,68.33 71.67,68.68 71.67,75.76 v1(71.03,76.4)
Stage2: length 163.8
  Top w0.1: v1(62.57,78.5) 63,78.92 U1.G5 ; R39.1 v1(8.9,11.95)
  Bottom w0.1: v1(8.9,11.95) 15.51,5.34 81.58,5.34 84.43,8.18 84.43,15.28 79.75,19.96 79.75,29.35 79.75,59.05 71.79,67.01 71.79,68.24 71.44,68.59 71.44,75.26 70.57,76.13 70.57,76.29 69.61,77.25 65.5,77.25 64.75,78 63.07,78 v1(62.57,78.5)
